# Altium PCB OBC Development Board.PcbDoc (part 1 of 3) (continued)
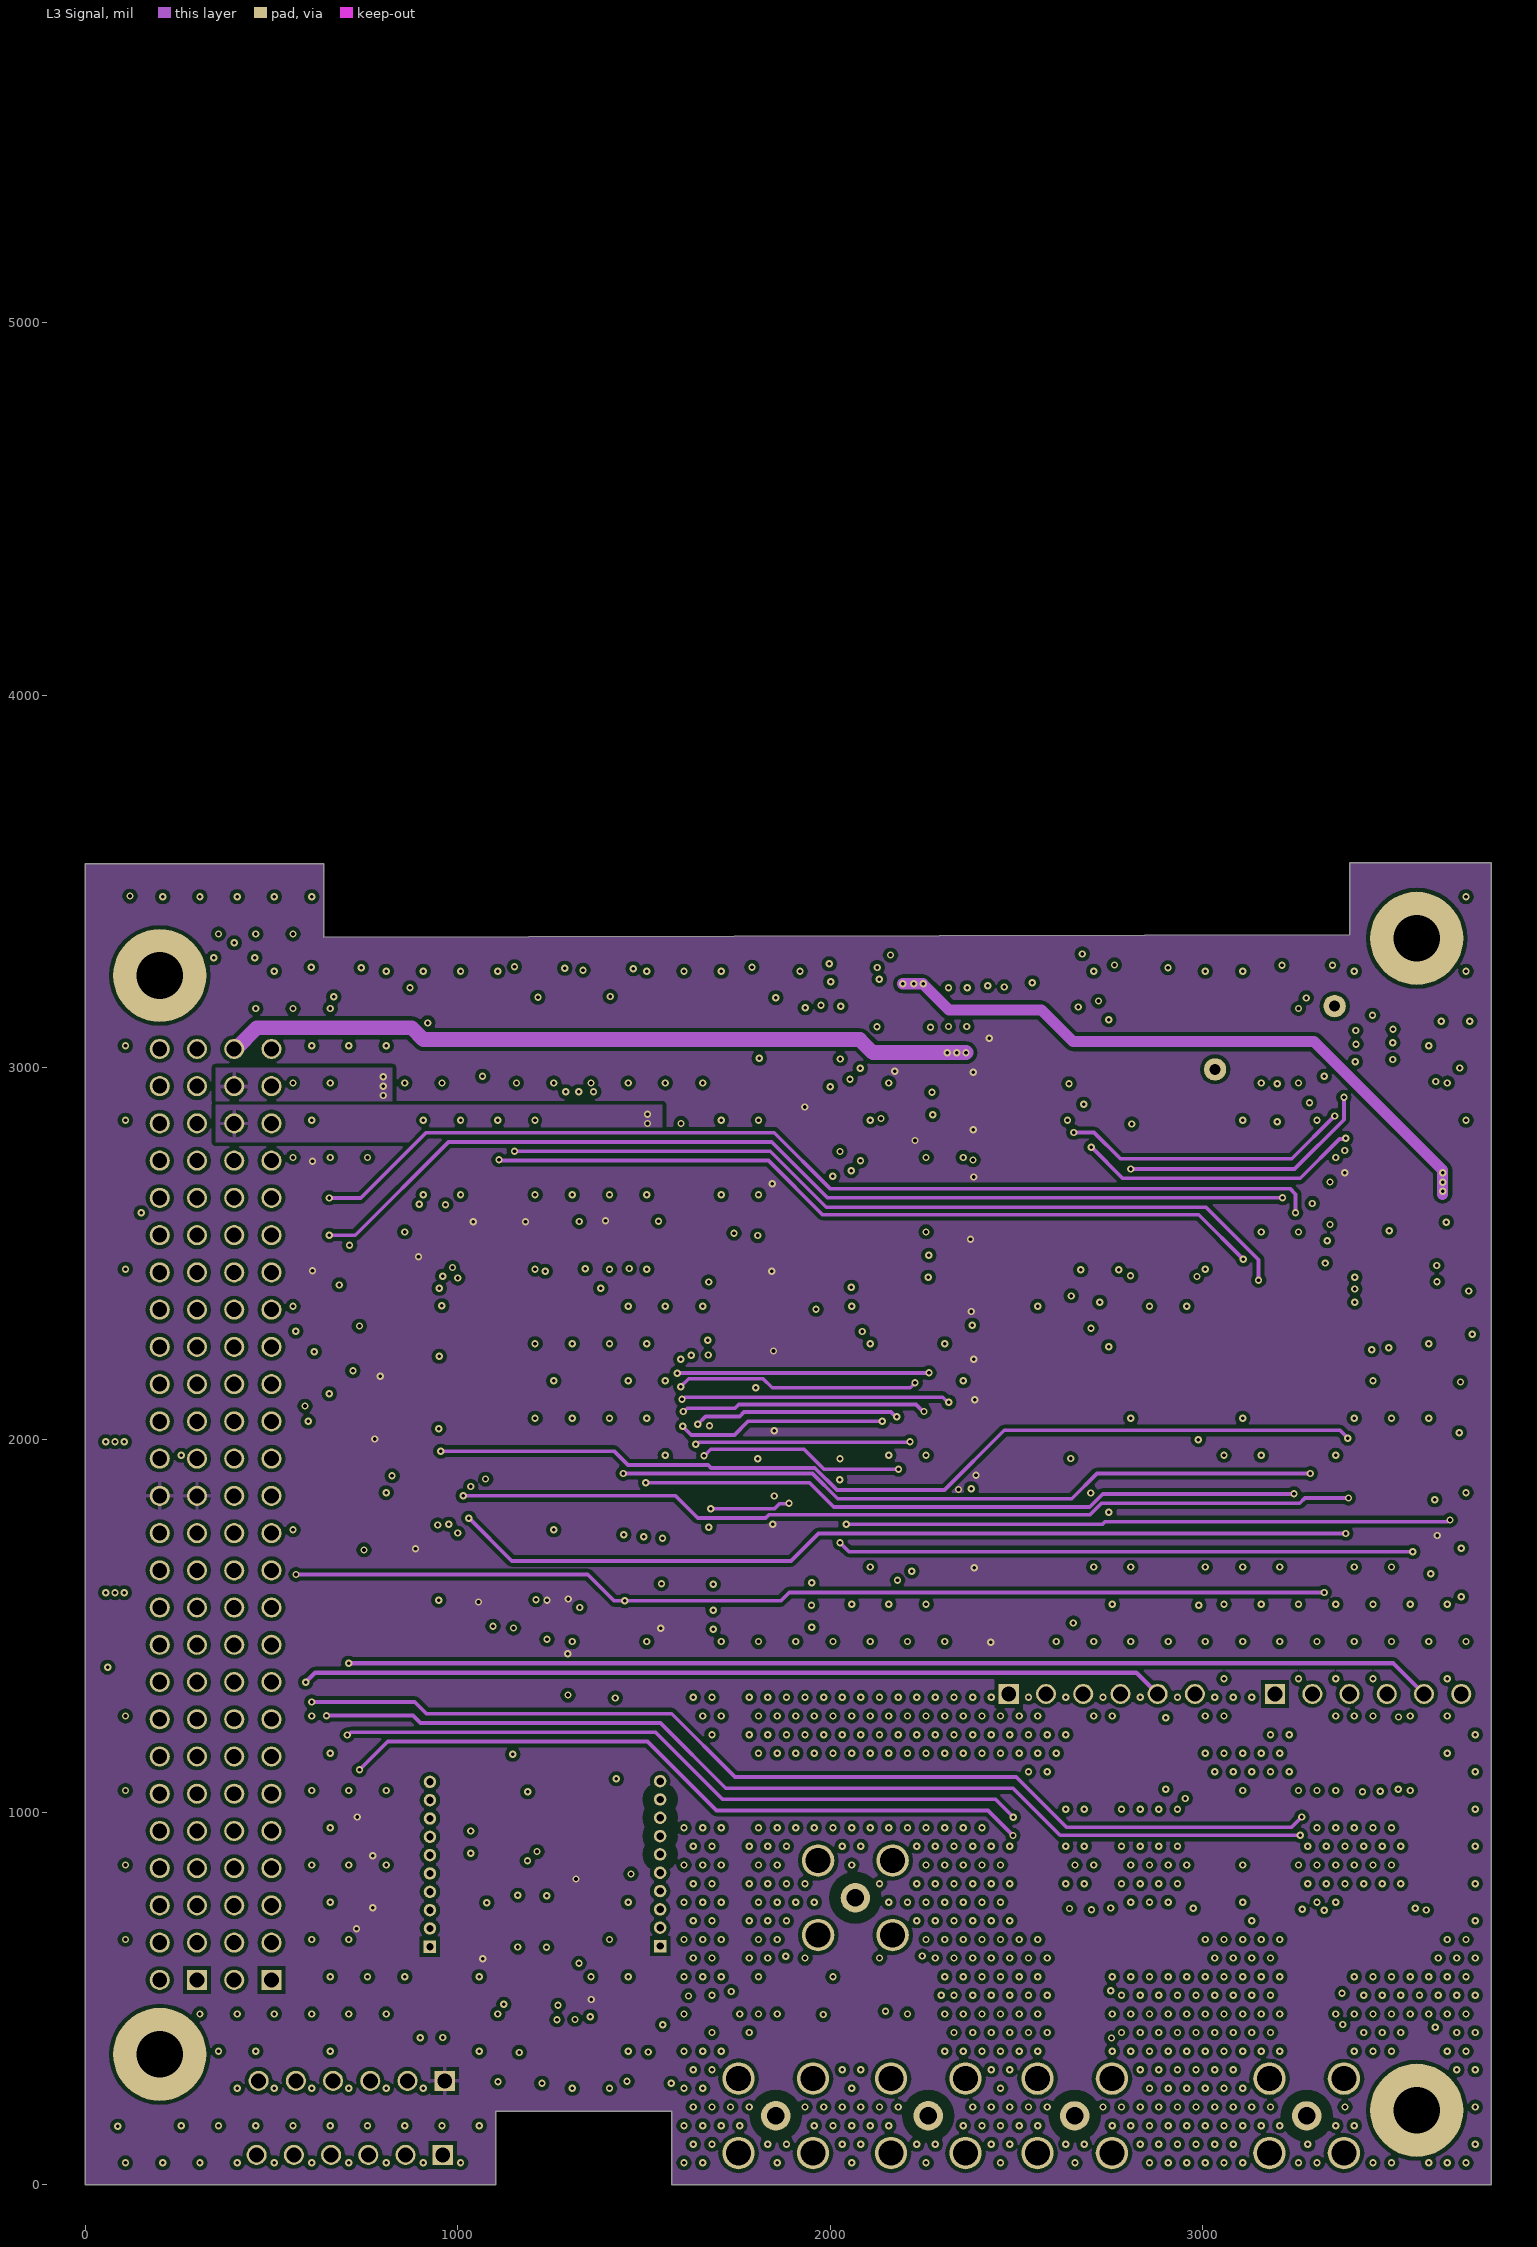
[diagram p3: L3 Signal]
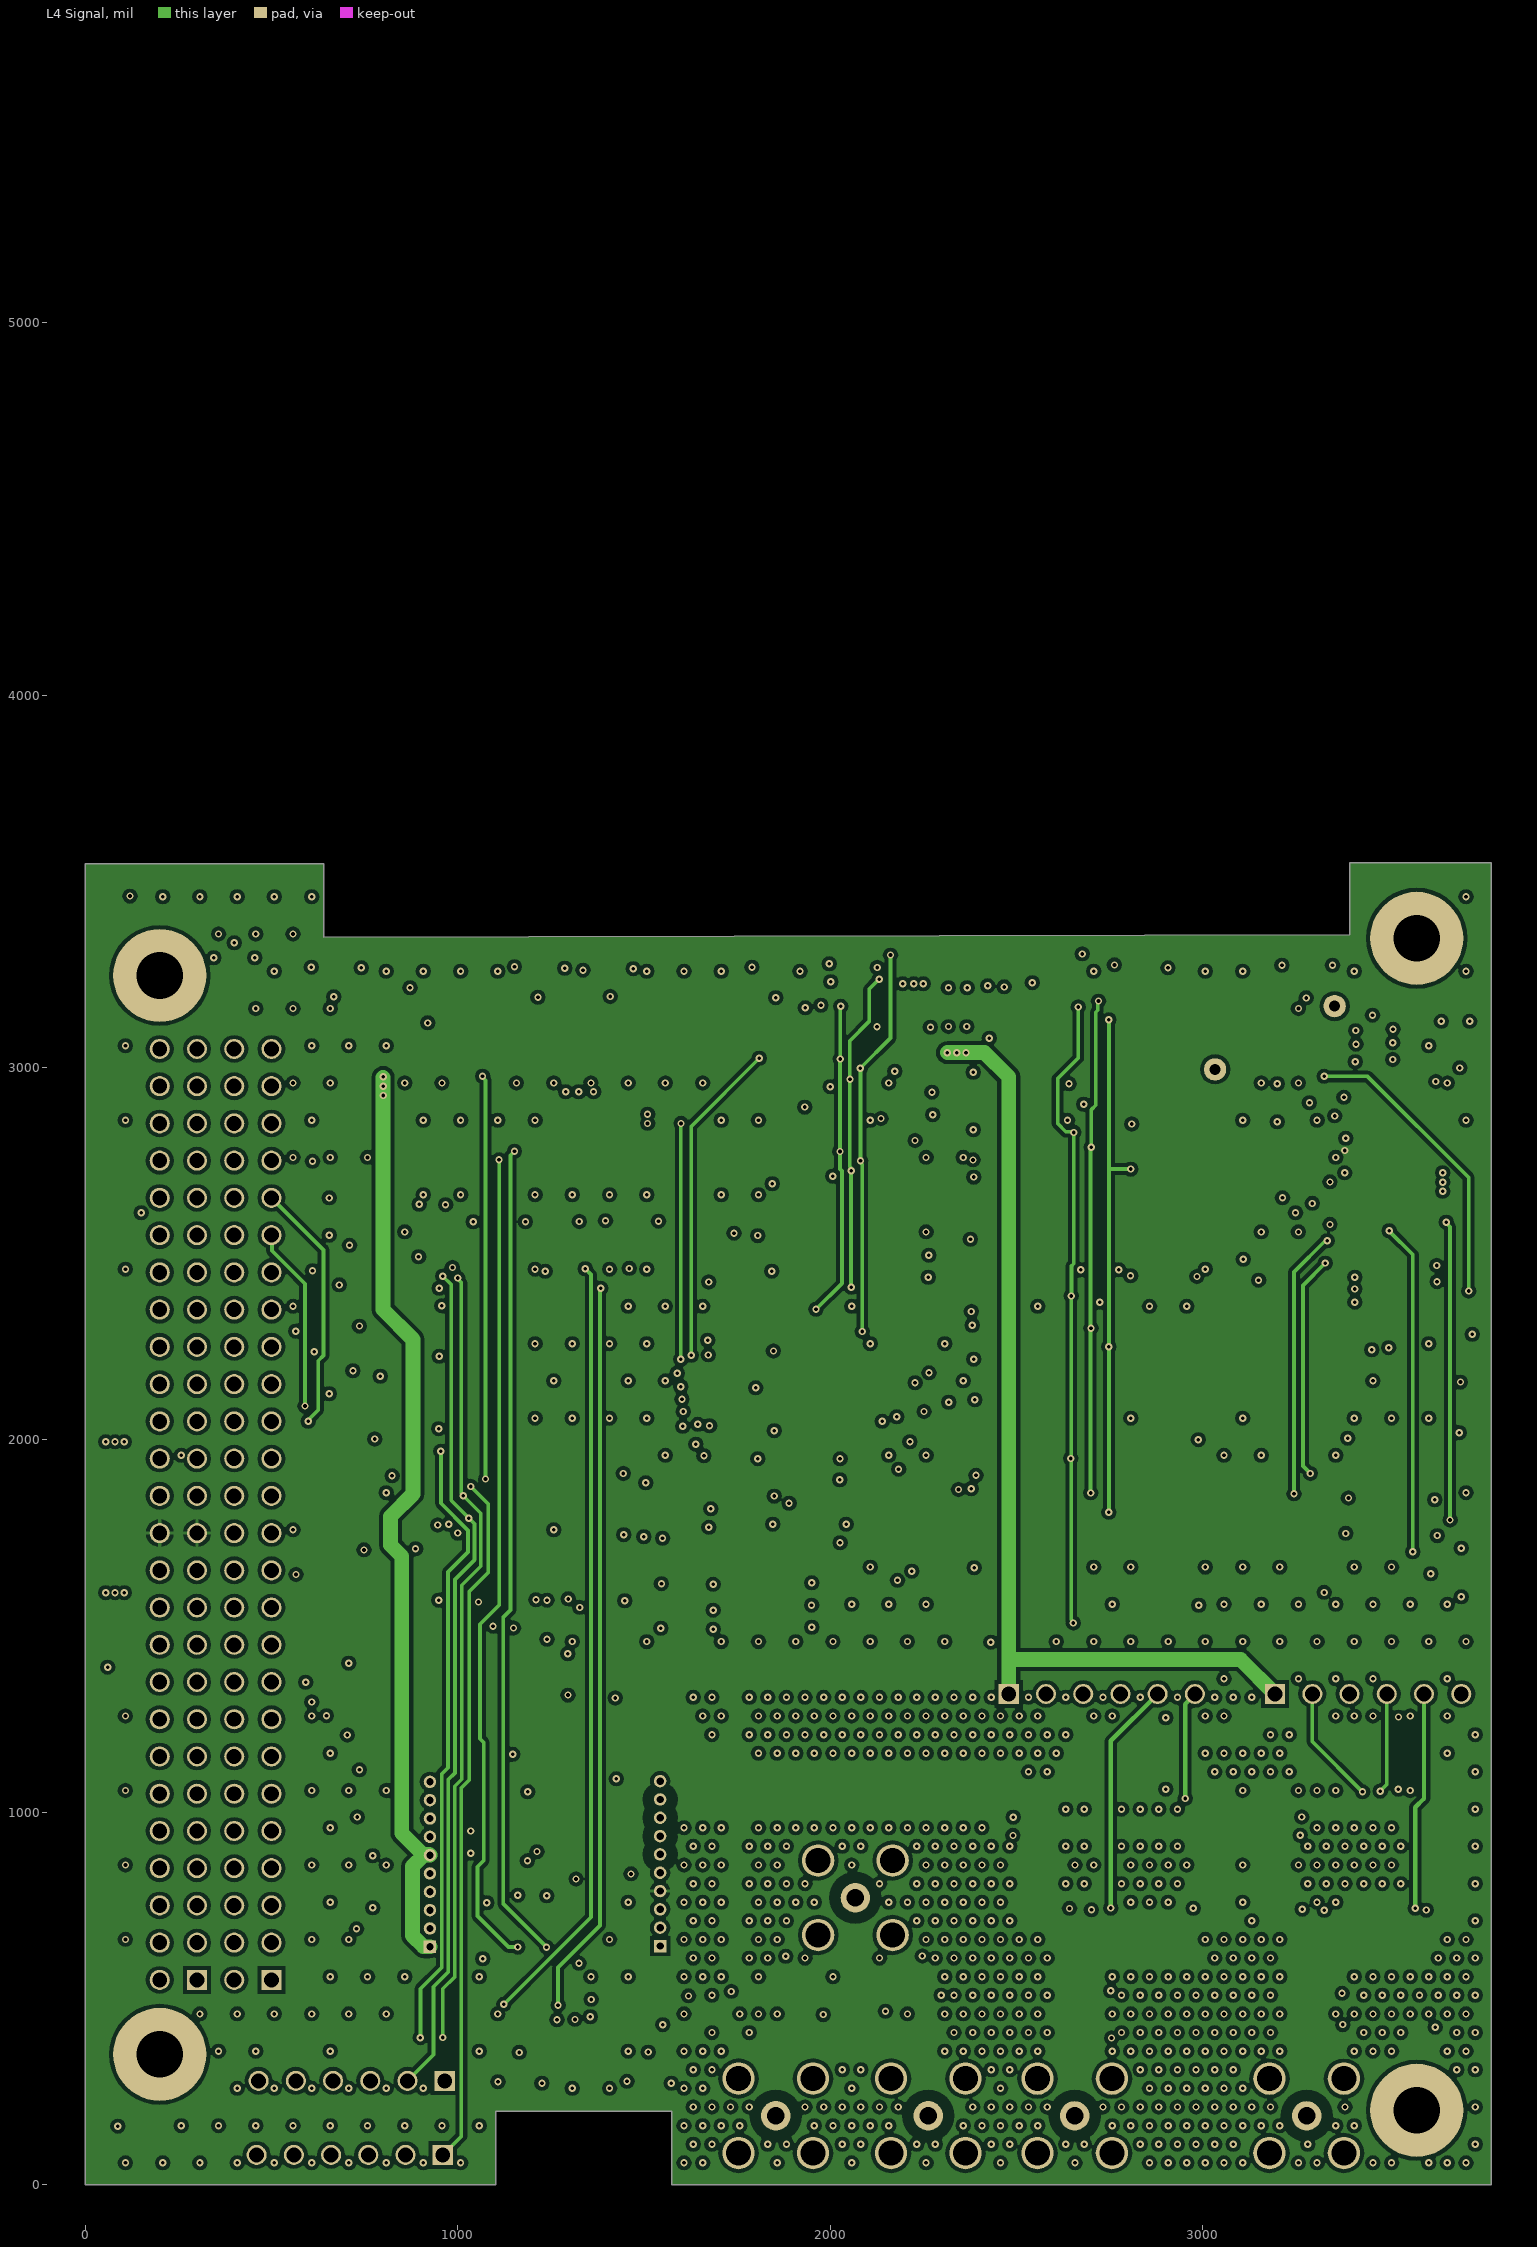
[diagram p4: L4 Signal]
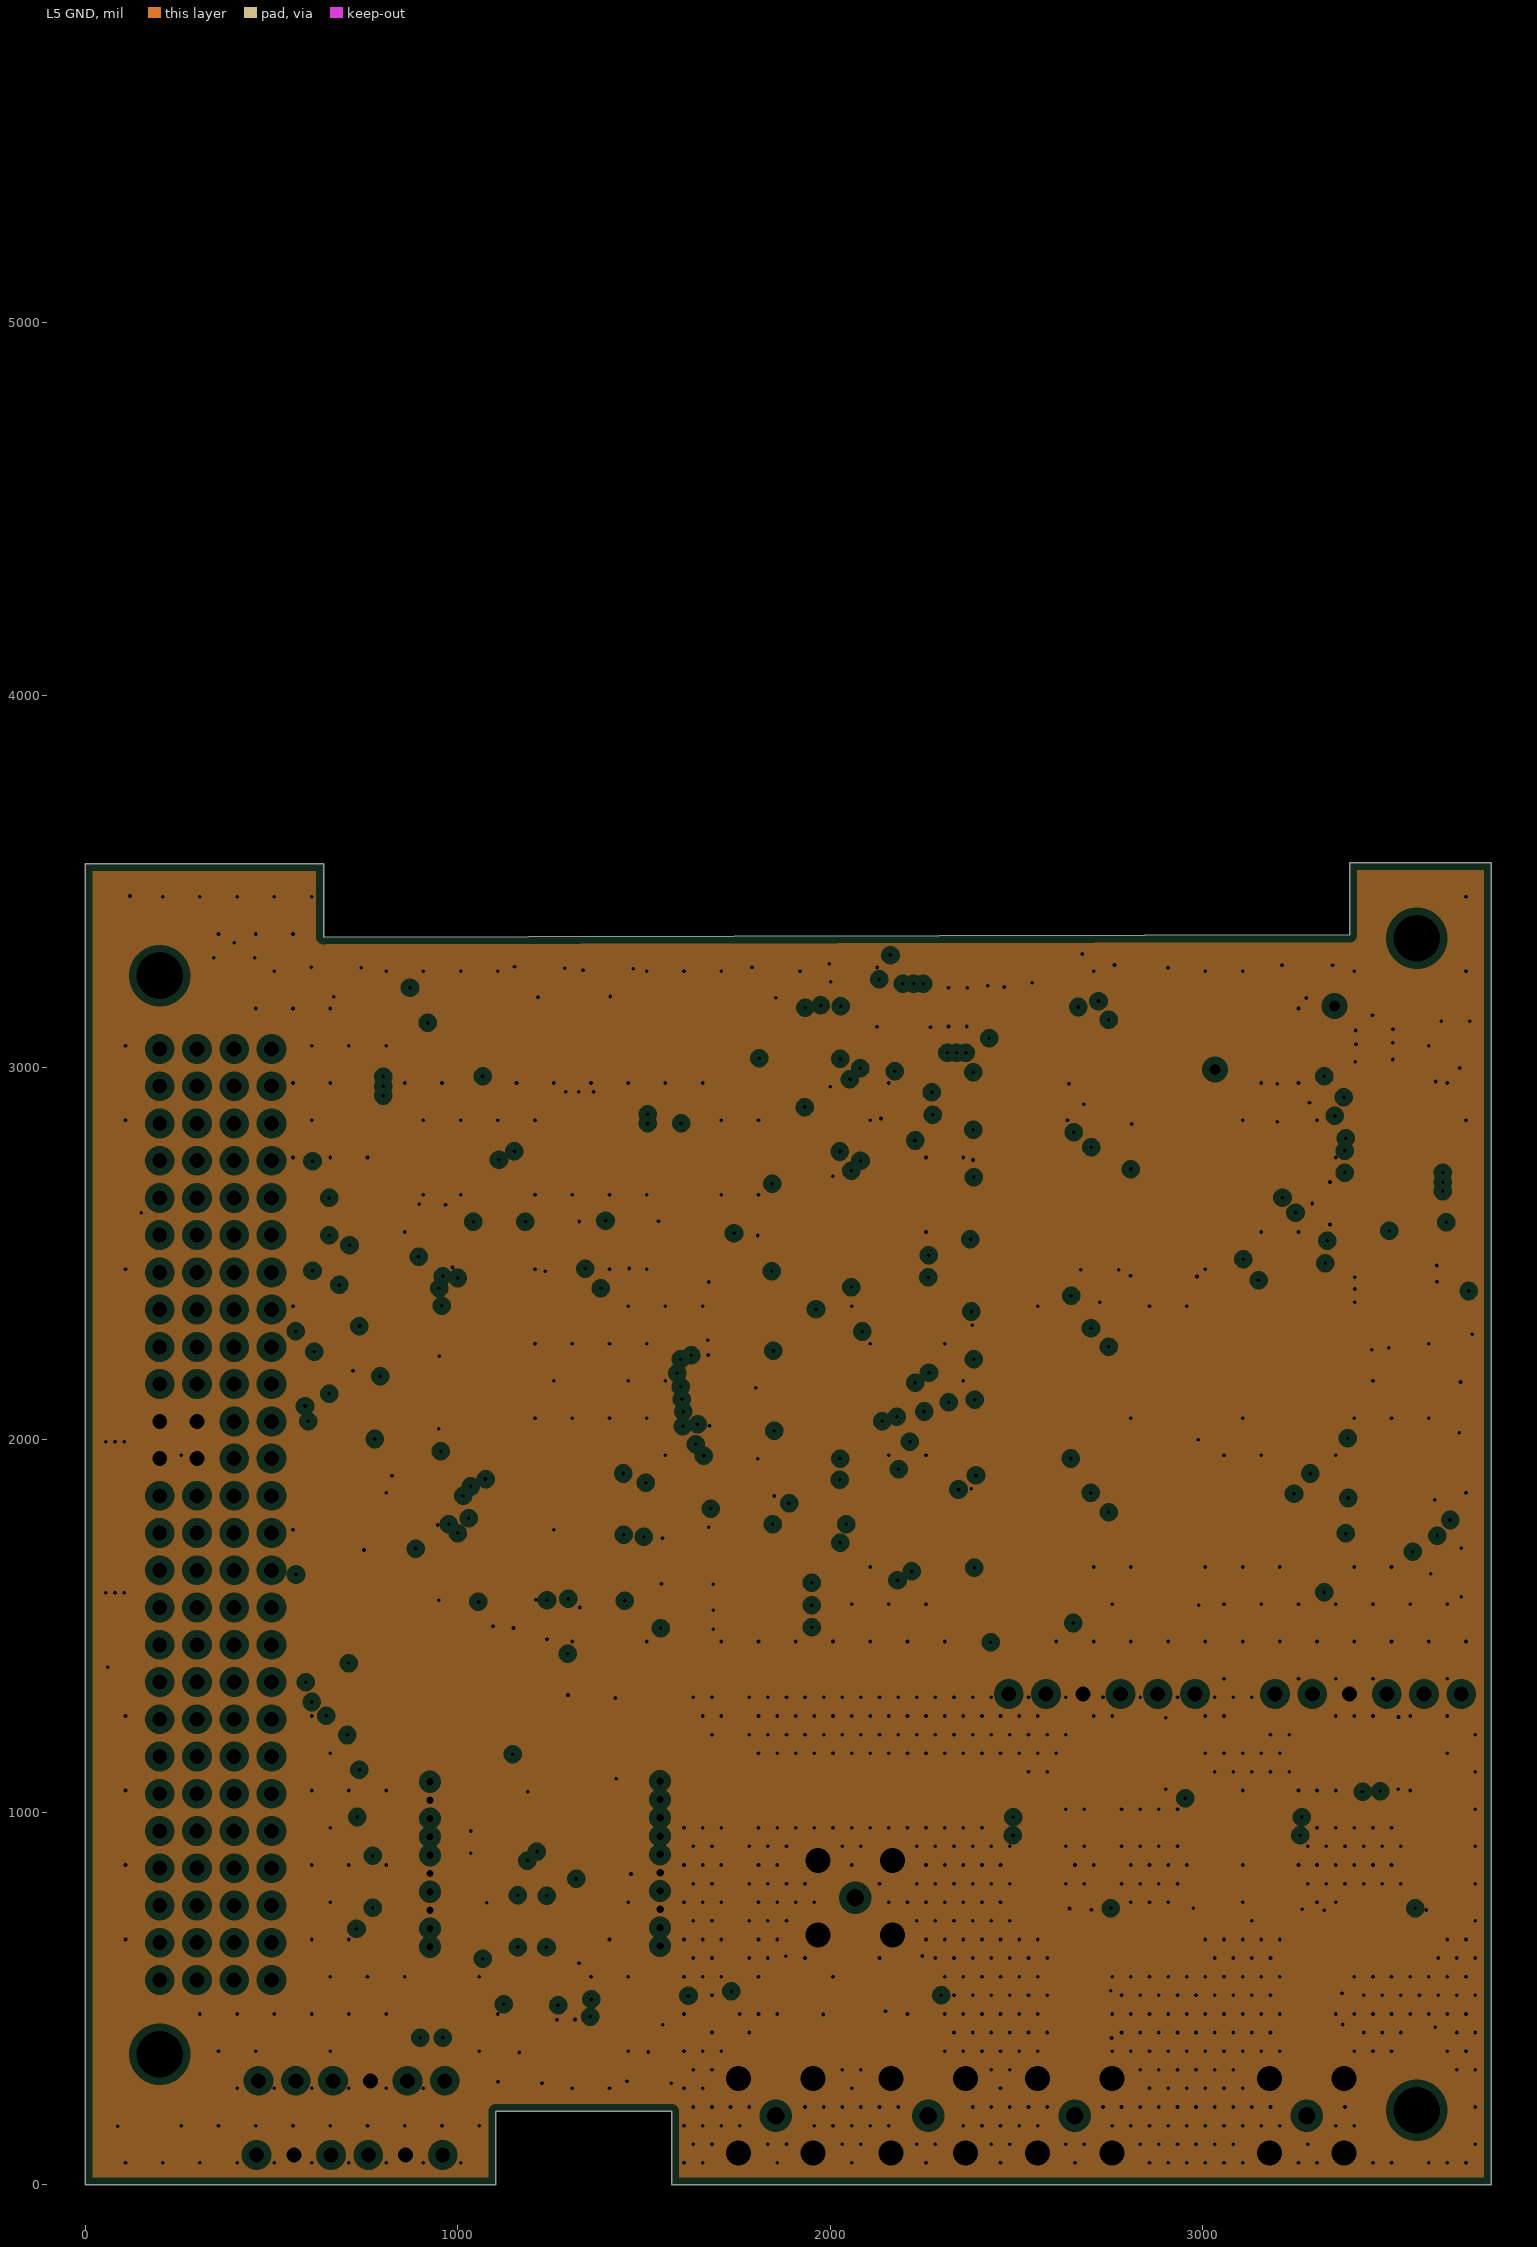
[diagram p5: L5 GND, clearances drawn from the general rule]
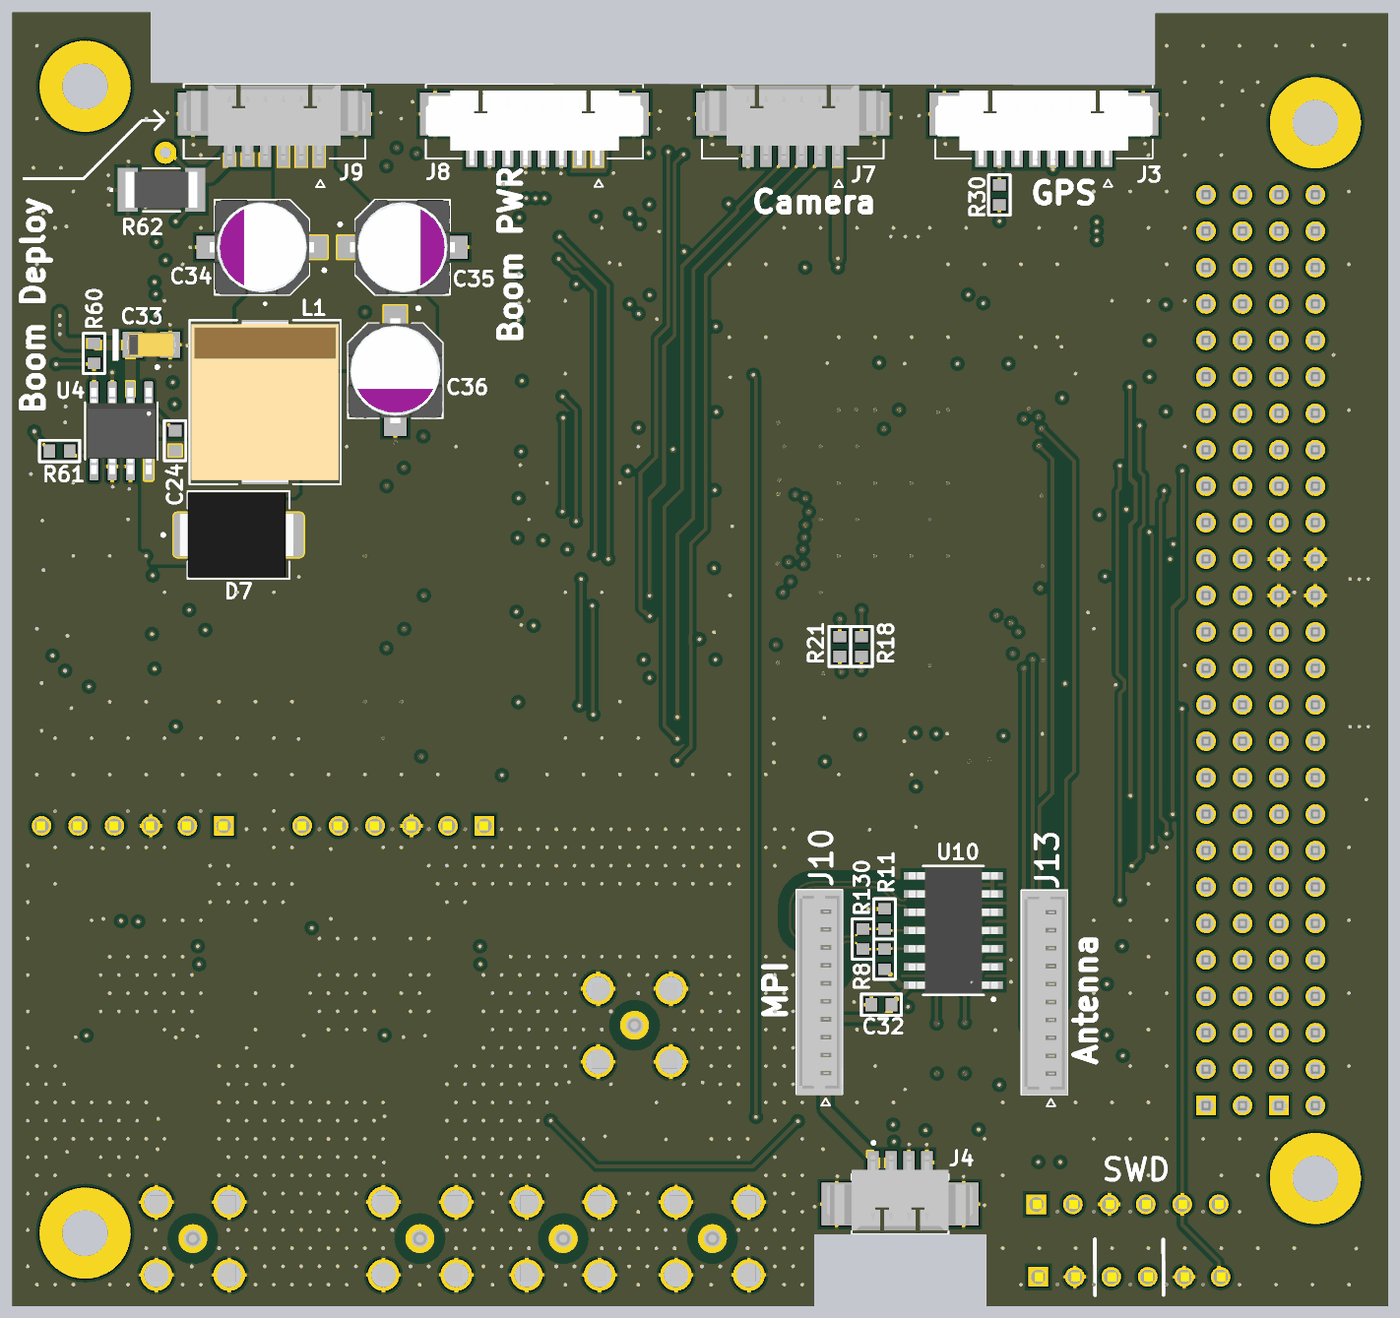
[diagram p8: 3D render of the assembled board from below, using the file's embedded part models]

## Layer stack, top to bottom
Top Solder: solder mask 0.4, Solder Resist, Dk 3.5
L1 Top Layer: signal copper 1.378
Dielectric 2: prepreg 4.5827, PP-006, Dk 4.25
L2 GND: plane copper 0.689, net GND
Dielectric 4: prepreg 5.1181, PP-006, Dk 4.25
L3 Signal: signal copper 0.689
Dielectric 6: prepreg 4.5827, PP-006, Dk 4.25
Dielectric 1: core 27.5591, FR-4, Dk 4.25
Dielectric 7: prepreg 4.5827, PP-006, Dk 4.25
L4 Signal: signal copper 0.689
Dielectric 5: prepreg 5.1181, PP-006, Dk 4.25
L5 GND: plane copper 0.689, net GND
Dielectric 3: prepreg 4.5827, PP-006, Dk 4.25
L6 Bottom Layer: signal copper 1.378
Bottom Solder: solder mask 0.4, Solder Resist, Dk 3.5

## Board outline
0,0 0,3547.24 639.76,3547.24 639.76,3350.39 3395.67,3356.3 3395.67,3550 3775.59,3550 3775.59,590.55 3775.59,0 1574.8,0 1574.8,196.85 1102.36,196.85 1102.36,0

## Design rules (kind name [scope] priority, off if disabled: settings)
Clearance RF [InNetClass('50Ohms')] p1: gap=30 ignorepadtopadclearanceinfootprint=TRUE except(0: SMDPad-Hole THPad-Hole Via-Hole Fill-Hole Poly-Hole Region-Hole Text-Hole; 5: Arc-SMDPad Track-SMDPad SMDPad-SMDPad; 7: Arc-Text Track-Text; 7.87: SMDPad-Text THPad-Text Via-Text Fill-Text Poly-Text Region-Text Text-Text; 10: Arc-Arc Arc-Track Track-Track SMDPad-THPad SMDPad-Via THPad-THPad THPad-Via Via-Via)
Clearance "DIF 100 OHMS" [InNetClass('DIF 100 OHMS')] p2: gap=30 ignorepadtopadclearanceinfootprint=TRUE except(0: SMDPad-Hole THPad-Hole Via-Hole Fill-Hole Poly-Hole Region-Hole Text-Hole; 5: Arc-Arc Arc-Track Arc-SMDPad Arc-THPad Arc-Via Arc-Hole Track-Track Track-SMDPad Track-THPad Track-Via Track-Hole SMDPad-SMDPad; 7: Arc-Text Track-Text; 7.87: SMDPad-Text THPad-Text Via-Text Fill-Text Poly-Text Region-Text Text-Text; 10: SMDPad-THPad SMDPad-Via THPad-THPad THPad-Via Via-Via)
Clearance [All] p3: gap=10 ignorepadtopadclearanceinfootprint=FALSE except(0: Arc-Hole Track-Hole SMDPad-Hole THPad-Hole Via-Hole Fill-Hole Poly-Hole Region-Hole Text-Hole; 5: Arc-Arc Arc-Track Arc-SMDPad Track-Track Track-SMDPad SMDPad-SMDPad; 7.87: Arc-Text Track-Text SMDPad-Text THPad-Text Via-Text Fill-Text Poly-Text Region-Text Text-Text)
ComponentClearance [All] p1: gap=0 collisioncheckmode=3 verticalgap=10 showdistances=FALSE
DiffPairsRouting [All] p1: maxlimit=10 minlimit=8 mostfreqgap=8 toplayer_maxgap=8 toplayer_minwidth=5.8 toplayer_maxwidth=5.8 toplayer_prefwidth=5.8 midlayer1_minwidth=5.8 midlayer1_maxwidth=5.8 midlayer1_prefwidth=5.8 midlayer2_minwidth=5.8 midlayer2_maxwidth=5.8 midlayer2_prefwidth=5.8 bottomlayer_maxgap=8 bottomlayer_minwidth=5.8 bottomlayer_maxwidth=5.8 bottomlayer_prefwidth=5.8 maxuncoupledlength=500
HoleSize [All] p1: absolutevalues=TRUE maxlimit=248.03 minlimit=0.98 maxpercent=80.000 minpercent=20.000
MinimumSolderMaskSliver [All] p1: minsoldermaskwidth=1.5
PlaneClearance [All] p1: clearance=20
PlaneConnect [All] p1: pad.planeconnectstyle=Relief pad.reliefexpansion=20 pad.reliefentries=4 pad.reliefconductorwidth=10 pad.reliefairgap=10 via.planeconnectstyle=Direct via.reliefexpansion=20 via.reliefentries=4 via.reliefconductorwidth=10 via.reliefairgap=10
PolygonConnect [All] p1: thpad.connectstyle=Relief thpad.reliefconductorwidth=10 thpad.reliefentries=4 thpad.polygonreliefangle="90 Angle" thpad.airgapwidth=10 smdpad.connectstyle=Relief smdpad.reliefconductorwidth=10 smdpad.reliefentries=4 smdpad.polygonreliefangle="90 Angle" smdpad.airgapwidth=10 via.connectstyle=Direct via.reliefconductorwidth=10 via.reliefentries=4 via.polygonreliefangle="90 Angle" via.airgapwidth=10
RoutingVias [All] p1: holewidth=9.84 width=19.68 viastyle="Through Hole" minholewidth=7.87 minwidth=15.75 maxholewidth=15.75 maxwidth=39.37